# Altium PCB Slave.PcbDoc (part 7 of 11)
Units mm, origin at the board's own origin, x right, y up, seen from the top; angles counter-clockwise.
Board outline 380 x 63 mm, 4 copper layers (Top Copper, Signal Layer 1, Signal Layer 2, Bottom Copper), stack 1.586 mm thick; 256 components, 191 nets, 731 pads, 24161 vias.
Unrouted connection lines stored in the file: 14.
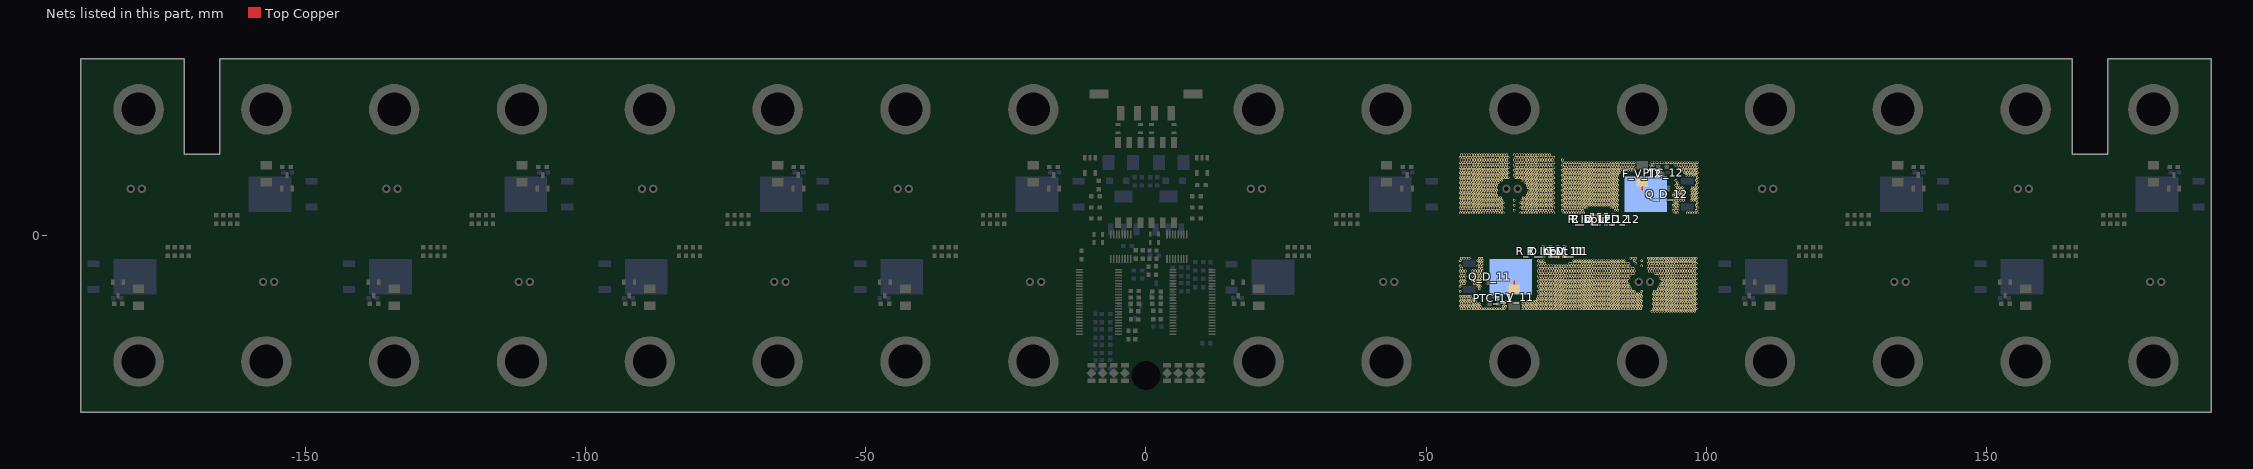
[diagram p9: the nets of this part, all layers, seen from the top]

## Via types
v1: diameter 0.45, hole 0.297, Top Copper to Bottom Copper, tented both sides, 23326 vias
v2: diameter 1, hole 0.7, Top Copper to Bottom Copper, 576 vias
v3: diameter 0.45, hole 0.2, Top Copper to Bottom Copper, 259 vias

## Nets (pads, with @x,y where several pads share a name; then routed paths per layer and width w, separated by ;. In a path a pad name is that pad's centre, name@x,y a point inside that pad or via, vN(x,y) a via of type N, cw(c..) or ccw(c..) an arc to the next point about the centre after c; other vN are vias at no path point) (continued)
F_11: C_V_11.2 F_V_11.2 PTC_11.2 Q_D_11.2 R_D_LED_11.2 R_Input_11.1 | length 3.9
  Top Copper w0.254: R_D_LED_11.2@72.15,-3.6 R_Input_11.1@73.4,-3.6 C_V_11.2@74.65,-3.6
  Top Copper w0.305: F_V_11.2@65.675,-9.48 65.675,-8.1
  other v1: 90.249,-13.55 90.699,-13.55 91.149,-13.55 91.599,-13.55 92.049,-13.55 92.499,-13.55 92.949,-13.55 93.399,-13.55 93.849,-13.55 94.299,-13.55 94.749,-13.55 95.199,-13.55 95.649,-13.55 96.099,-13.55 96.549,-13.55 96.999,-13.55 97.449,-13.55 97.899,-13.55 56.274,-13.1 56.724,-13.1 57.174,-13.1 57.624,-13.1 58.074,-13.1 58.524,-13.1 58.974,-13.1 59.424,-13.1 59.874,-13.1 60.324,-13.1 60.774,-13.1 61.224,-13.1 61.674,-13.1 62.124,-13.1 62.574,-13.1 63.024,-13.1 63.474,-13.1 63.924,-13.1 67.074,-13.1 67.524,-13.1 67.974,-13.1 68.424,-13.1 68.874,-13.1 69.324,-13.1 69.774,-13.1 70.224,-13.1 70.674,-13.1 71.124,-13.1 71.574,-13.1 72.024,-13.1 72.474,-13.1 72.924,-13.1 73.374,-13.1 73.824,-13.1 74.274,-13.1 74.724,-13.1 75.174,-13.1 75.624,-13.1 76.074,-13.1 76.524,-13.1 76.974,-13.1 77.424,-13.1 77.874,-13.1 78.324,-13.1 78.774,-13.1 79.224,-13.1 79.674,-13.1 80.124,-13.1 80.574,-13.1 81.024,-13.1 81.474,-13.1 81.924,-13.1 82.374,-13.1 82.824,-13.1 83.274,-13.1 83.724,-13.1 84.174,-13.1 84.624,-13.1 85.074,-13.1 85.524,-13.1 85.974,-13.1 86.424,-13.1 86.874,-13.1 87.324,-13.1 87.774,-13.1 88.224,-13.1 90.474,-13.1 90.924,-13.1 91.374,-13.1 91.824,-13.1 92.274,-13.1 92.724,-13.1 93.174,-13.1 93.624,-13.1 94.074,-13.1 94.524,-13.1 94.974,-13.1 95.424,-13.1 95.874,-13.1 96.324,-13.1 96.774,-13.1 97.224,-13.1 97.674,-13.1 98.124,-13.1 56.049,-12.65 56.499,-12.65 56.949,-12.65 57.399,-12.65 57.849,-12.65 58.299,-12.65 58.749,-12.65 59.199,-12.65 59.649,-12.65 63.699,-12.65 64.149,-12.65 67.299,-12.65 67.749,-12.65 68.199,-12.65 68.649,-12.65 69.099,-12.65 69.549,-12.65 69.999,-12.65 70.449,-12.65 70.899,-12.65 71.349,-12.65 71.799,-12.65 72.249,-12.65 72.699,-12.65 73.149,-12.65 73.599,-12.65 74.049,-12.65 74.499,-12.65 74.949,-12.65 75.399,-12.65 75.849,-12.65 76.299,-12.65 76.749,-12.65 77.199,-12.65 77.649,-12.65 78.099,-12.65 78.549,-12.65 78.999,-12.65 79.449,-12.65 79.899,-12.65 80.349,-12.65 80.799,-12.65 81.249,-12.65 81.699,-12.65 82.149,-12.65 82.599,-12.65 83.049,-12.65 83.499,-12.65 83.949,-12.65 84.399,-12.65 84.849,-12.65 85.299,-12.65 85.749,-12.65 86.199,-12.65 86.649,-12.65 87.099,-12.65 87.549,-12.65 87.999,-12.65 88.449,-12.65 90.699,-12.65 91.149,-12.65 91.599,-12.65 92.049,-12.65 92.499,-12.65 92.949,-12.65 93.399,-12.65 93.849,-12.65 94.299,-12.65 94.749,-12.65 95.199,-12.65 95.649,-12.65 96.099,-12.65 96.549,-12.65 96.999,-12.65 97.449,-12.65 97.899,-12.65 56.274,-12.2 56.724,-12.2 57.174,-12.2 57.624,-12.2 58.074,-12.2 58.524,-12.2 58.974,-12.2 59.424,-12.2 63.924,-12.2 67.074,-12.2 67.524,-12.2 67.974,-12.2 68.424,-12.2 68.874,-12.2 69.324,-12.2 69.774,-12.2 70.224,-12.2 70.674,-12.2 71.124,-12.2 71.574,-12.2 72.024,-12.2 72.474,-12.2 72.924,-12.2 73.374,-12.2 73.824,-12.2 74.274,-12.2 74.724,-12.2 75.174,-12.2 75.624,-12.2 76.074,-12.2 76.524,-12.2 76.974,-12.2 77.424,-12.2 77.874,-12.2 78.324,-12.2 78.774,-12.2 79.224,-12.2 79.674,-12.2 80.124,-12.2 80.574,-12.2 81.024,-12.2 81.474,-12.2 81.924,-12.2 82.374,-12.2 82.824,-12.2 83.274,-12.2 83.724,-12.2 84.174,-12.2 84.624,-12.2 85.074,-12.2 85.524,-12.2 85.974,-12.2 86.424,-12.2 86.874,-12.2 87.324,-12.2 87.774,-12.2 88.224,-12.2 90.474,-12.2 90.924,-12.2 91.374,-12.2 91.824,-12.2 92.274,-12.2 92.724,-12.2 93.174,-12.2 93.624,-12.2 94.074,-12.2 94.524,-12.2 94.974,-12.2 95.424,-12.2 95.874,-12.2 96.324,-12.2 96.774,-12.2 97.224,-12.2 97.674,-12.2 98.124,-12.2 56.049,-11.75 56.499,-11.75 56.949,-11.75 57.399,-11.75 57.849,-11.75 58.299,-11.75 58.749,-11.75 64.149,-11.75 67.299,-11.75 67.749,-11.75 68.199,-11.75 68.649,-11.75 69.099,-11.75 69.549,-11.75 69.999,-11.75 70.449,-11.75 70.899,-11.75 71.349,-11.75 71.799,-11.75 72.249,-11.75 72.699,-11.75 73.149,-11.75 73.599,-11.75 74.049,-11.75 74.499,-11.75 74.949,-11.75 75.399,-11.75 75.849,-11.75 76.299,-11.75 76.749,-11.75 77.199,-11.75 77.649,-11.75 78.099,-11.75 78.549,-11.75 78.999,-11.75 79.449,-11.75 79.899,-11.75 80.349,-11.75 80.799,-11.75 81.249,-11.75 81.699,-11.75 82.149,-11.75 82.599,-11.75 83.049,-11.75 83.499,-11.75 83.949,-11.75 84.399,-11.75 84.849,-11.75 85.299,-11.75 85.749,-11.75 86.199,-11.75 86.649,-11.75 87.099,-11.75 87.549,-11.75 87.999,-11.75 88.449,-11.75 90.699,-11.75 91.149,-11.75 91.599,-11.75 92.049,-11.75 92.499,-11.75 92.949,-11.75 93.399,-11.75 93.849,-11.75 94.299,-11.75 94.749,-11.75 95.199,-11.75 95.649,-11.75 96.099,-11.75 96.549,-11.75 96.999,-11.75 97.449,-11.75 97.899,-11.75 56.274,-11.3 56.724,-11.3 57.174,-11.3 57.624,-11.3 58.074,-11.3 58.524,-11.3 69.774,-11.3 70.224,-11.3 70.674,-11.3 71.124,-11.3 71.574,-11.3 72.024,-11.3 72.474,-11.3 72.924,-11.3 73.374,-11.3 73.824,-11.3 74.274,-11.3 74.724,-11.3 75.174,-11.3 75.624,-11.3 76.074,-11.3 76.524,-11.3 76.974,-11.3 77.424,-11.3 77.874,-11.3 78.324,-11.3 78.774,-11.3 79.224,-11.3 79.674,-11.3 80.124,-11.3 80.574,-11.3 81.024,-11.3 81.474,-11.3 81.924,-11.3 82.374,-11.3 82.824,-11.3 83.274,-11.3 83.724,-11.3 84.174,-11.3 84.624,-11.3 85.074,-11.3 85.524,-11.3 85.974,-11.3 86.424,-11.3 86.874,-11.3 87.324,-11.3 87.774,-11.3 88.224,-11.3 90.474,-11.3 90.924,-11.3 91.374,-11.3 91.824,-11.3 92.274,-11.3 92.724,-11.3 93.174,-11.3 93.624,-11.3 94.074,-11.3 94.524,-11.3 94.974,-11.3 95.424,-11.3 95.874,-11.3 96.324,-11.3 96.774,-11.3 97.224,-11.3 97.674,-11.3 98.124,-11.3 56.049,-10.85 56.499,-10.85 56.949,-10.85 57.399,-10.85 57.849,-10.85 69.999,-10.85 70.449,-10.85 70.899,-10.85 71.349,-10.85 71.799,-10.85 72.249,-10.85 72.699,-10.85 73.149,-10.85 73.599,-10.85 74.049,-10.85 74.499,-10.85 74.949,-10.85 75.399,-10.85 75.849,-10.85 76.299,-10.85 76.749,-10.85 77.199,-10.85 77.649,-10.85 78.099,-10.85 78.549,-10.85 78.999,-10.85 79.449,-10.85 79.899,-10.85 80.349,-10.85 80.799,-10.85 81.249,-10.85 81.699,-10.85 82.149,-10.85 82.599,-10.85 83.049,-10.85 83.499,-10.85 83.949,-10.85 84.399,-10.85 84.849,-10.85 85.299,-10.85 85.749,-10.85 86.199,-10.85 86.649,-10.85 87.099,-10.85 87.549,-10.85 87.999,-10.85 88.449,-10.85 90.699,-10.85 91.149,-10.85 91.599,-10.85 92.049,-10.85 92.499,-10.85 92.949,-10.85 93.399,-10.85 93.849,-10.85 94.299,-10.85 94.749,-10.85 95.199,-10.85 95.649,-10.85 96.099,-10.85 96.549,-10.85 96.999,-10.85 97.449,-10.85 97.899,-10.85 70.224,-10.4 70.674,-10.4 71.124,-10.4 71.574,-10.4 72.024,-10.4 72.474,-10.4 72.924,-10.4 73.374,-10.4 73.824,-10.4 74.274,-10.4 74.724,-10.4 75.174,-10.4 75.624,-10.4 76.074,-10.4 76.524,-10.4 76.974,-10.4 77.424,-10.4 77.874,-10.4 78.324,-10.4 78.774,-10.4 79.224,-10.4 79.674,-10.4 80.124,-10.4 80.574,-10.4 81.024,-10.4 81.474,-10.4 81.924,-10.4 82.374,-10.4 82.824,-10.4 83.274,-10.4 83.724,-10.4 84.174,-10.4 84.624,-10.4 85.074,-10.4 85.524,-10.4 85.974,-10.4 86.424,-10.4 86.874,-10.4 87.324,-10.4 87.774,-10.4 88.224,-10.4 90.474,-10.4 90.924,-10.4 91.374,-10.4 91.824,-10.4 92.274,-10.4 92.724,-10.4 93.174,-10.4 93.624,-10.4 94.074,-10.4 94.524,-10.4 94.974,-10.4 95.424,-10.4 95.874,-10.4 96.324,-10.4 96.774,-10.4 97.224,-10.4 97.674,-10.4 98.124,-10.4 56.049,-9.95 69.999,-9.95 70.449,-9.95 70.899,-9.95 71.349,-9.95 71.799,-9.95 72.249,-9.95 72.699,-9.95 73.149,-9.95 73.599,-9.95 74.049,-9.95 74.499,-9.95 74.949,-9.95 75.399,-9.95 75.849,-9.95 76.299,-9.95 76.749,-9.95 77.199,-9.95 77.649,-9.95 78.099,-9.95 78.549,-9.95 78.999,-9.95 79.449,-9.95 79.899,-9.95 80.349,-9.95 80.799,-9.95 81.249,-9.95 81.699,-9.95 82.149,-9.95 82.599,-9.95 83.049,-9.95 83.499,-9.95 83.949,-9.95 84.399,-9.95 84.849,-9.95 85.299,-9.95 85.749,-9.95 86.199,-9.95 86.649,-9.95 87.099,-9.95 88.449,-9.95 90.699,-9.95 91.149,-9.95 91.599,-9.95 92.049,-9.95 92.499,-9.95 92.949,-9.95 93.399,-9.95 93.849,-9.95 94.299,-9.95 94.749,-9.95 95.199,-9.95 95.649,-9.95 96.099,-9.95 96.549,-9.95 96.999,-9.95 97.449,-9.95 97.899,-9.95 59.424,-9.5 70.224,-9.5 70.674,-9.5 71.124,-9.5 71.574,-9.5 72.024,-9.5 72.474,-9.5 72.924,-9.5 73.374,-9.5 73.824,-9.5 74.274,-9.5 74.724,-9.5 75.174,-9.5 75.624,-9.5 76.074,-9.5 76.524,-9.5 76.974,-9.5 77.424,-9.5 77.874,-9.5 78.324,-9.5 78.774,-9.5 79.224,-9.5 79.674,-9.5 80.124,-9.5 80.574,-9.5 81.024,-9.5 81.474,-9.5 81.924,-9.5 82.374,-9.5 82.824,-9.5 83.274,-9.5 83.724,-9.5 84.174,-9.5 84.624,-9.5 85.074,-9.5 85.524,-9.5 85.974,-9.5 86.424,-9.5 91.374,-9.5 91.824,-9.5 92.274,-9.5 92.724,-9.5 93.174,-9.5 93.624,-9.5 94.074,-9.5 94.524,-9.5 94.974,-9.5 95.424,-9.5 95.874,-9.5 96.324,-9.5 96.774,-9.5 97.224,-9.5 97.674,-9.5 98.124,-9.5 56.049,-9.05 59.199,-9.05 59.649,-9.05 69.999,-9.05 70.449,-9.05 70.899,-9.05 71.349,-9.05 71.799,-9.05 72.249,-9.05 72.699,-9.05 73.149,-9.05 73.599,-9.05 74.049,-9.05 74.499,-9.05 74.949,-9.05 75.399,-9.05 75.849,-9.05 76.299,-9.05 76.749,-9.05 77.199,-9.05 77.649,-9.05 78.099,-9.05 78.549,-9.05 78.999,-9.05 79.449,-9.05 79.899,-9.05 80.349,-9.05 80.799,-9.05 81.249,-9.05 81.699,-9.05 82.149,-9.05 82.599,-9.05 83.049,-9.05 83.499,-9.05 83.949,-9.05 84.399,-9.05 84.849,-9.05 85.299,-9.05 85.749,-9.05 86.199,-9.05 91.599,-9.05 92.049,-9.05 92.499,-9.05 92.949,-9.05 93.399,-9.05 93.849,-9.05 94.299,-9.05 94.749,-9.05 95.199,-9.05 95.649,-9.05 96.099,-9.05 96.549,-9.05 96.999,-9.05 97.449,-9.05 97.899,-9.05 56.274,-8.6 56.724,-8.6 58.524,-8.6 58.974,-8.6 59.424,-8.6 70.224,-8.6 70.674,-8.6 71.124,-8.6 71.574,-8.6 72.024,-8.6 72.474,-8.6 72.924,-8.6 73.374,-8.6 73.824,-8.6 74.274,-8.6 74.724,-8.6 75.174,-8.6 75.624,-8.6 76.074,-8.6 76.524,-8.6 76.974,-8.6 77.424,-8.6 77.874,-8.6 78.324,-8.6 78.774,-8.6 79.224,-8.6 79.674,-8.6 80.124,-8.6 80.574,-8.6 81.024,-8.6 81.474,-8.6 81.924,-8.6 82.374,-8.6 82.824,-8.6 83.274,-8.6 83.724,-8.6 84.174,-8.6 84.624,-8.6 85.074,-8.6 85.524,-8.6 85.974,-8.6 91.824,-8.6 92.274,-8.6 92.724,-8.6 93.174,-8.6 93.624,-8.6 94.074,-8.6 94.524,-8.6 94.974,-8.6 95.424,-8.6 95.874,-8.6 96.324,-8.6 96.774,-8.6 97.224,-8.6 97.674,-8.6 98.124,-8.6 56.049,-8.15 56.499,-8.15 56.949,-8.15 58.299,-8.15 58.749,-8.15 59.199,-8.15 59.649,-8.15 69.999,-8.15 70.449,-8.15 70.899,-8.15 71.349,-8.15 71.799,-8.15 72.249,-8.15 72.699,-8.15 73.149,-8.15 73.599,-8.15 74.049,-8.15 74.499,-8.15 74.949,-8.15 75.399,-8.15 75.849,-8.15 76.299,-8.15 76.749,-8.15 77.199,-8.15 77.649,-8.15 78.099,-8.15 78.549,-8.15 78.999,-8.15 79.449,-8.15 79.899,-8.15 80.349,-8.15 80.799,-8.15 81.249,-8.15 81.699,-8.15 82.149,-8.15 82.599,-8.15 83.049,-8.15 83.499,-8.15 83.949,-8.15 84.399,-8.15 84.849,-8.15 85.299,-8.15 85.749,-8.15 92.049,-8.15 92.499,-8.15 92.949,-8.15 93.399,-8.15 93.849,-8.15 94.299,-8.15 94.749,-8.15 95.199,-8.15 95.649,-8.15 96.099,-8.15 96.549,-8.15 96.999,-8.15 97.449,-8.15 97.899,-8.15 56.274,-7.7 56.724,-7.7 58.524,-7.7 58.974,-7.7 59.424,-7.7 59.874,-7.7 70.224,-7.7 70.674,-7.7 71.124,-7.7 71.574,-7.7 72.024,-7.7 72.474,-7.7 72.924,-7.7 73.374,-7.7 73.824,-7.7 74.274,-7.7 74.724,-7.7 75.174,-7.7 75.624,-7.7 76.074,-7.7 76.524,-7.7 76.974,-7.7 77.424,-7.7 77.874,-7.7 78.324,-7.7 78.774,-7.7 79.224,-7.7 79.674,-7.7 80.124,-7.7 80.574,-7.7 81.024,-7.7 81.474,-7.7 81.924,-7.7 82.374,-7.7 82.824,-7.7 83.274,-7.7 83.724,-7.7 84.174,-7.7 84.624,-7.7 85.074,-7.7 85.524,-7.7 85.974,-7.7 91.824,-7.7 92.274,-7.7 92.724,-7.7 93.174,-7.7 93.624,-7.7 94.074,-7.7 94.524,-7.7 94.974,-7.7 95.424,-7.7 95.874,-7.7 96.324,-7.7 96.774,-7.7 97.224,-7.7 97.674,-7.7 98.124,-7.7 56.049,-7.25 56.499,-7.25 56.949,-7.25 58.299,-7.25 58.749,-7.25 59.199,-7.25 59.649,-7.25 60.099,-7.25 69.999,-7.25 70.449,-7.25 70.899,-7.25 71.349,-7.25 71.799,-7.25 72.249,-7.25 72.699,-7.25 73.149,-7.25 73.599,-7.25 74.049,-7.25 74.499,-7.25 74.949,-7.25 75.399,-7.25 75.849,-7.25 76.299,-7.25 76.749,-7.25 77.199,-7.25 77.649,-7.25 78.099,-7.25 78.549,-7.25 78.999,-7.25 79.449,-7.25 79.899,-7.25 80.349,-7.25 80.799,-7.25 81.249,-7.25 81.699,-7.25 82.149,-7.25 82.599,-7.25 83.049,-7.25 83.499,-7.25 83.949,-7.25 84.399,-7.25 84.849,-7.25 85.299,-7.25 85.749,-7.25 86.199,-7.25 91.599,-7.25 92.049,-7.25 92.499,-7.25 92.949,-7.25 93.399,-7.25 93.849,-7.25 94.299,-7.25 94.749,-7.25 95.199,-7.25 95.649,-7.25 96.099,-7.25 96.549,-7.25 96.999,-7.25 97.449,-7.25 97.899,-7.25 56.274,-6.8 56.724,-6.8 58.524,-6.8 58.974,-6.8 59.424,-6.8 59.874,-6.8 70.224,-6.8 70.674,-6.8 71.124,-6.8 71.574,-6.8 72.024,-6.8 72.474,-6.8 72.924,-6.8 73.374,-6.8 73.824,-6.8 74.274,-6.8 74.724,-6.8 75.174,-6.8 75.624,-6.8 76.074,-6.8 76.524,-6.8 76.974,-6.8 77.424,-6.8 77.874,-6.8 78.324,-6.8 78.774,-6.8 79.224,-6.8 79.674,-6.8 80.124,-6.8 80.574,-6.8 81.024,-6.8 81.474,-6.8 81.924,-6.8 82.374,-6.8 82.824,-6.8 83.274,-6.8 83.724,-6.8 84.174,-6.8 84.624,-6.8 85.074,-6.8 85.524,-6.8 85.974,-6.8 86.424,-6.8 86.874,-6.8 90.924,-6.8 91.374,-6.8 91.824,-6.8 92.274,-6.8 92.724,-6.8 93.174,-6.8 93.624,-6.8 94.074,-6.8 94.524,-6.8 94.974,-6.8 95.424,-6.8 95.874,-6.8 96.324,-6.8 96.774,-6.8 97.224,-6.8 97.674,-6.8 98.124,-6.8 56.049,-6.35 56.499,-6.35 56.949,-6.35 58.299,-6.35 58.749,-6.35 59.199,-6.35 59.649,-6.35 60.099,-6.35 69.999,-6.35 70.449,-6.35 70.899,-6.35 71.349,-6.35 71.799,-6.35 72.249,-6.35 72.699,-6.35 73.149,-6.35 73.599,-6.35 74.049,-6.35 74.499,-6.35 74.949,-6.35 75.399,-6.35 75.849,-6.35 76.299,-6.35 76.749,-6.35 77.199,-6.35 77.649,-6.35 78.099,-6.35 78.549,-6.35 78.999,-6.35 79.449,-6.35 79.899,-6.35 80.349,-6.35 80.799,-6.35 81.249,-6.35 81.699,-6.35 82.149,-6.35 82.599,-6.35 83.049,-6.35 83.499,-6.35 83.949,-6.35 84.399,-6.35 84.849,-6.35 85.299,-6.35 85.749,-6.35 86.199,-6.35 86.649,-6.35 87.099,-6.35 89.799,-6.35 90.249,-6.35 90.699,-6.35 91.149,-6.35 91.599,-6.35 92.049,-6.35 92.499,-6.35 92.949,-6.35 93.399,-6.35 93.849,-6.35 94.299,-6.35 94.749,-6.35 95.199,-6.35 95.649,-6.35 96.099,-6.35 96.549,-6.35 96.999,-6.35 97.449,-6.35 97.899,-6.35 56.274,-5.9 59.424,-5.9 59.874,-5.9 70.224,-5.9 70.674,-5.9 71.124,-5.9 71.574,-5.9 72.024,-5.9 72.474,-5.9 72.924,-5.9 73.374,-5.9 73.824,-5.9 74.274,-5.9 74.724,-5.9 75.174,-5.9 75.624,-5.9 76.074,-5.9 76.524,-5.9 76.974,-5.9 77.424,-5.9 77.874,-5.9 78.324,-5.9 78.774,-5.9 79.224,-5.9 79.674,-5.9 80.124,-5.9 80.574,-5.9 81.024,-5.9 81.474,-5.9 81.924,-5.9 82.374,-5.9 82.824,-5.9 83.274,-5.9 83.724,-5.9 84.174,-5.9 84.624,-5.9 85.074,-5.9 85.524,-5.9 85.974,-5.9 86.424,-5.9 86.874,-5.9 89.574,-5.9 90.024,-5.9 90.474,-5.9 90.924,-5.9 91.374,-5.9 91.824,-5.9 92.274,-5.9 92.724,-5.9 93.174,-5.9 93.624,-5.9 94.074,-5.9 94.524,-5.9 94.974,-5.9 95.424,-5.9 95.874,-5.9 96.324,-5.9 96.774,-5.9 97.224,-5.9 97.674,-5.9 98.124,-5.9 56.049,-5.45 59.199,-5.45 59.649,-5.45 60.099,-5.45 69.999,-5.45 70.449,-5.45 70.899,-5.45 71.349,-5.45 71.799,-5.45 72.249,-5.45 72.699,-5.45 73.149,-5.45 73.599,-5.45 74.049,-5.45 74.499,-5.45 74.949,-5.45 75.399,-5.45 75.849,-5.45 76.299,-5.45 76.749,-5.45 77.199,-5.45 77.649,-5.45 78.099,-5.45 78.549,-5.45 78.999,-5.45 79.449,-5.45 79.899,-5.45 80.349,-5.45 80.799,-5.45 81.249,-5.45 81.699,-5.45 82.149,-5.45 82.599,-5.45 83.049,-5.45 83.499,-5.45 83.949,-5.45 84.399,-5.45 84.849,-5.45 85.299,-5.45 85.749,-5.45 86.199,-5.45 88.449,-5.45 89.799,-5.45 90.249,-5.45 90.699,-5.45 91.149,-5.45 91.599,-5.45 92.049,-5.45 92.499,-5.45 92.949,-5.45 93.399,-5.45 93.849,-5.45 94.299,-5.45 94.749,-5.45 95.199,-5.45 95.649,-5.45 96.099,-5.45 96.549,-5.45 96.999,-5.45 97.449,-5.45 97.899,-5.45 59.424,-5 59.874,-5 70.224,-5 70.674,-5 71.124,-5 75.624,-5 76.074,-5 76.524,-5 76.974,-5 77.424,-5 77.874,-5 78.324,-5 78.774,-5 79.224,-5 79.674,-5 80.124,-5 80.574,-5 81.024,-5 81.474,-5 81.924,-5 82.374,-5 82.824,-5 83.274,-5 83.724,-5 84.174,-5 84.624,-5 85.074,-5 85.524,-5 85.974,-5 87.324,-5 89.574,-5 90.024,-5 90.474,-5 90.924,-5 91.374,-5 91.824,-5 92.274,-5 92.724,-5 93.174,-5 93.624,-5 94.074,-5 94.524,-5 94.974,-5 95.424,-5 95.874,-5 96.324,-5 96.774,-5 97.224,-5 97.674,-5 98.124,-5 56.049,-4.55 59.199,-4.55 59.649,-4.55 60.099,-4.55 69.999,-4.55 70.449,-4.55 70.899,-4.55 76.299,-4.55 76.749,-4.55 77.199,-4.55 77.649,-4.55 78.099,-4.55 78.549,-4.55 78.999,-4.55 79.449,-4.55 79.899,-4.55 80.349,-4.55 80.799,-4.55 81.249,-4.55 81.699,-4.55 82.149,-4.55 82.599,-4.55 83.049,-4.55 83.499,-4.55 83.949,-4.55 84.399,-4.55 84.849,-4.55 85.299,-4.55 87.099,-4.55 88.449,-4.55 89.799,-4.55 90.249,-4.55 90.699,-4.55 91.149,-4.55 91.599,-4.55 92.049,-4.55 92.499,-4.55 92.949,-4.55 93.399,-4.55 93.849,-4.55 94.299,-4.55 94.749,-4.55 95.199,-4.55 95.649,-4.55 96.099,-4.55 96.549,-4.55 96.999,-4.55 97.449,-4.55 97.899,-4.55 56.274,-4.1 56.724,-4.1 57.174,-4.1 57.624,-4.1 59.424,-4.1 59.874,-4.1 86.424,-4.1 86.874,-4.1 87.324,-4.1 89.574,-4.1 90.024,-4.1 90.474,-4.1 90.924,-4.1 91.374,-4.1 91.824,-4.1 92.274,-4.1 92.724,-4.1 93.174,-4.1 93.624,-4.1 94.074,-4.1 94.524,-4.1 94.974,-4.1 95.424,-4.1 95.874,-4.1 96.324,-4.1 96.774,-4.1 97.224,-4.1 97.674,-4.1 98.124,-4.1
F_12: C_V_12.2 F_V_12.2 PTC_12.2 Q_D_12.2 R_D_LED_12.2 R_Input_12.1 | length 3.9
  Top Copper w0.254: C_V_12.2@79.55,3.6 R_Input_12.1@80.8,3.6 R_D_LED_12.2@82.05,3.6
  Top Copper w0.305: 88.525,8.1 F_V_12.2@88.525,9.48
  other v1: 56.049,4 56.499,4 56.949,4 57.399,4 57.849,4 58.299,4 58.749,4 59.199,4 59.649,4 60.099,4 60.549,4 60.999,4 61.449,4 61.899,4 62.349,4 62.799,4 63.249,4 63.699,4 66.849,4 67.299,4 67.749,4 68.199,4 68.649,4 69.099,4 69.549,4 69.999,4 70.449,4 70.899,4 71.349,4 71.799,4 72.249,4 72.699,4 74.499,4 74.949,4 75.399,4 75.849,4 76.299,4 76.749,4 77.199,4 77.649,4 78.099,4 94.299,4 94.749,4 96.549,4 96.999,4 97.449,4 97.899,4 98.349,4 56.274,4.45 56.724,4.45 57.174,4.45 57.624,4.45 58.074,4.45 58.524,4.45 58.974,4.45 59.424,4.45 59.874,4.45 60.324,4.45 60.774,4.45 61.224,4.45 61.674,4.45 62.124,4.45 62.574,4.45 63.024,4.45 63.474,4.45 65.724,4.45 67.074,4.45 67.524,4.45 67.974,4.45 68.424,4.45 68.874,4.45 69.324,4.45 69.774,4.45 70.224,4.45 70.674,4.45 71.124,4.45 71.574,4.45 72.024,4.45 72.474,4.45 74.274,4.45 74.724,4.45 75.174,4.45 75.624,4.45 76.074,4.45 76.524,4.45 76.974,4.45 77.424,4.45 77.874,4.45 83.724,4.45 84.174,4.45 94.074,4.45 94.524,4.45 94.974,4.45 98.124,4.45 56.049,4.9 56.499,4.9 56.949,4.9 57.399,4.9 57.849,4.9 58.299,4.9 58.749,4.9 59.199,4.9 59.649,4.9 60.099,4.9 60.549,4.9 60.999,4.9 61.449,4.9 61.899,4.9 62.349,4.9 62.799,4.9 63.249,4.9 63.699,4.9 66.849,4.9 67.299,4.9 67.749,4.9 68.199,4.9 68.649,4.9 69.099,4.9 69.549,4.9 69.999,4.9 70.449,4.9 70.899,4.9 71.349,4.9 71.799,4.9 72.249,4.9 72.699,4.9 74.499,4.9 74.949,4.9 75.399,4.9 75.849,4.9 76.299,4.9 76.749,4.9 77.199,4.9 77.649,4.9 78.099,4.9 78.549,4.9 83.049,4.9 83.499,4.9 83.949,4.9 94.299,4.9 94.749,4.9 98.349,4.9 56.274,5.35 56.724,5.35 57.174,5.35 57.624,5.35 58.074,5.35 58.524,5.35 58.974,5.35 59.424,5.35 59.874,5.35 60.324,5.35 60.774,5.35 61.224,5.35 61.674,5.35 62.124,5.35 62.574,5.35 63.024,5.35 63.474,5.35 65.724,5.35 67.074,5.35 67.524,5.35 67.974,5.35 68.424,5.35 68.874,5.35 69.324,5.35 69.774,5.35 70.224,5.35 70.674,5.35 71.124,5.35 71.574,5.35 72.024,5.35 72.474,5.35 74.274,5.35 74.724,5.35 75.174,5.35 75.624,5.35 76.074,5.35 76.524,5.35 76.974,5.35 77.424,5.35 77.874,5.35 78.324,5.35 78.774,5.35 79.224,5.35 79.674,5.35 80.124,5.35 80.574,5.35 81.024,5.35 81.474,5.35 81.924,5.35 82.374,5.35 82.824,5.35 83.274,5.35 83.724,5.35 84.174,5.35 94.074,5.35 94.524,5.35 94.974,5.35 98.124,5.35 56.049,5.8 56.499,5.8 56.949,5.8 57.399,5.8 57.849,5.8 58.299,5.8 58.749,5.8 59.199,5.8 59.649,5.8 60.099,5.8 60.549,5.8 60.999,5.8 61.449,5.8 61.899,5.8 62.349,5.8 62.799,5.8 63.249,5.8 63.699,5.8 66.849,5.8 67.299,5.8 67.749,5.8 68.199,5.8 68.649,5.8 69.099,5.8 69.549,5.8 69.999,5.8 70.449,5.8 70.899,5.8 71.349,5.8 71.799,5.8 72.249,5.8 72.699,5.8 74.499,5.8 74.949,5.8 75.399,5.8 75.849,5.8 76.299,5.8 76.749,5.8 77.199,5.8 77.649,5.8 78.099,5.8 78.549,5.8 78.999,5.8 79.449,5.8 79.899,5.8 80.349,5.8 80.799,5.8 81.249,5.8 81.699,5.8 82.149,5.8 82.599,5.8 83.049,5.8 83.499,5.8 83.949,5.8 94.299,5.8 94.749,5.8 98.349,5.8 56.274,6.25 56.724,6.25 57.174,6.25 57.624,6.25 58.074,6.25 58.524,6.25 58.974,6.25 59.424,6.25 59.874,6.25 60.324,6.25 60.774,6.25 61.224,6.25 61.674,6.25 62.124,6.25 62.574,6.25 63.024,6.25 63.474,6.25 65.724,6.25 67.074,6.25 67.524,6.25 67.974,6.25 68.424,6.25 68.874,6.25 69.324,6.25 69.774,6.25 70.224,6.25 70.674,6.25 71.124,6.25 71.574,6.25 72.024,6.25 72.474,6.25 74.274,6.25 74.724,6.25 75.174,6.25 75.624,6.25 76.074,6.25 76.524,6.25 76.974,6.25 77.424,6.25 77.874,6.25 78.324,6.25 78.774,6.25 79.224,6.25 79.674,6.25 80.124,6.25 80.574,6.25 81.024,6.25 81.474,6.25 81.924,6.25 82.374,6.25 82.824,6.25 83.274,6.25 83.724,6.25 84.174,6.25 94.074,6.25 94.524,6.25 94.974,6.25 95.424,6.25 95.874,6.25 97.224,6.25 97.674,6.25 98.124,6.25 56.049,6.7 56.499,6.7 56.949,6.7 57.399,6.7 57.849,6.7 58.299,6.7 58.749,6.7 59.199,6.7 59.649,6.7 60.099,6.7 60.549,6.7 60.999,6.7 61.449,6.7 61.899,6.7 62.349,6.7 62.799,6.7 63.249,6.7 67.299,6.7 67.749,6.7 68.199,6.7 68.649,6.7 69.099,6.7 69.549,6.7 69.999,6.7 70.449,6.7 70.899,6.7 71.349,6.7 71.799,6.7 72.249,6.7 72.699,6.7 74.499,6.7 74.949,6.7 75.399,6.7 75.849,6.7 76.299,6.7 76.749,6.7 77.199,6.7 77.649,6.7 78.099,6.7 78.549,6.7 78.999,6.7 79.449,6.7 79.899,6.7 80.349,6.7 80.799,6.7 81.249,6.7 81.699,6.7 82.149,6.7 82.599,6.7 83.049,6.7 83.499,6.7 83.949,6.7 94.299,6.7 94.749,6.7 95.199,6.7 95.649,6.7 97.449,6.7 97.899,6.7 98.349,6.7 56.274,7.15 56.724,7.15 57.174,7.15 57.624,7.15 58.074,7.15 58.524,7.15 58.974,7.15 59.424,7.15 59.874,7.15 60.324,7.15 60.774,7.15 61.224,7.15 61.674,7.15 62.124,7.15 62.574,7.15 67.974,7.15 68.424,7.15 68.874,7.15 69.324,7.15 69.774,7.15 70.224,7.15 70.674,7.15 71.124,7.15 71.574,7.15 72.024,7.15 72.474,7.15 74.274,7.15 74.724,7.15 75.174,7.15 75.624,7.15 76.074,7.15 76.524,7.15 76.974,7.15 77.424,7.15 77.874,7.15 78.324,7.15 78.774,7.15 79.224,7.15 79.674,7.15 80.124,7.15 80.574,7.15 81.024,7.15 81.474,7.15 81.924,7.15 82.374,7.15 82.824,7.15 83.274,7.15 83.724,7.15 84.174,7.15 94.074,7.15 94.524,7.15 94.974,7.15 95.424,7.15 95.874,7.15 97.224,7.15 97.674,7.15 98.124,7.15 56.049,7.6 56.499,7.6 56.949,7.6 57.399,7.6 57.849,7.6 58.299,7.6 58.749,7.6 59.199,7.6 59.649,7.6 60.099,7.6 60.549,7.6 60.999,7.6 61.449,7.6 61.899,7.6 62.349,7.6 68.199,7.6 68.649,7.6 69.099,7.6 69.549,7.6 69.999,7.6 70.449,7.6 70.899,7.6 71.349,7.6 71.799,7.6 72.249,7.6 72.699,7.6 74.499,7.6 74.949,7.6 75.399,7.6 75.849,7.6 76.299,7.6 76.749,7.6 77.199,7.6 77.649,7.6 78.099,7.6 78.549,7.6 78.999,7.6 79.449,7.6 79.899,7.6 80.349,7.6 80.799,7.6 81.249,7.6 81.699,7.6 82.149,7.6 82.599,7.6 83.049,7.6 83.499,7.6 83.949,7.6 94.299,7.6 94.749,7.6 95.199,7.6 95.649,7.6 97.449,7.6 97.899,7.6 98.349,7.6 56.274,8.05 56.724,8.05 57.174,8.05 57.624,8.05 58.074,8.05 58.524,8.05 58.974,8.05 59.424,8.05 59.874,8.05 60.324,8.05 60.774,8.05 61.224,8.05 61.674,8.05 62.124,8.05 62.574,8.05 68.424,8.05 68.874,8.05 69.324,8.05 69.774,8.05 70.224,8.05 70.674,8.05 71.124,8.05 71.574,8.05 72.024,8.05 72.474,8.05 74.274,8.05 74.724,8.05 75.174,8.05 75.624,8.05 76.074,8.05 76.524,8.05 76.974,8.05 77.424,8.05 77.874,8.05 78.324,8.05 78.774,8.05 79.224,8.05 79.674,8.05 80.124,8.05 80.574,8.05 81.024,8.05 81.474,8.05 81.924,8.05 82.374,8.05 82.824,8.05 83.274,8.05 83.724,8.05 84.174,8.05 94.524,8.05 94.974,8.05 95.424,8.05 95.874,8.05 97.224,8.05 97.674,8.05 98.124,8.05 56.049,8.5 56.499,8.5 56.949,8.5 57.399,8.5 57.849,8.5 58.299,8.5 58.749,8.5 59.199,8.5 59.649,8.5 60.099,8.5 60.549,8.5 60.999,8.5 61.449,8.5 61.899,8.5 62.349,8.5 68.199,8.5 68.649,8.5 69.099,8.5 69.549,8.5 69.999,8.5 70.449,8.5 70.899,8.5 71.349,8.5 71.799,8.5 72.249,8.5 72.699,8.5 74.499,8.5 74.949,8.5 75.399,8.5 75.849,8.5 76.299,8.5 76.749,8.5 77.199,8.5 77.649,8.5 78.099,8.5 78.549,8.5 78.999,8.5 79.449,8.5 79.899,8.5 80.349,8.5 80.799,8.5 81.249,8.5 81.699,8.5 82.149,8.5 82.599,8.5 83.049,8.5 83.499,8.5 83.949,8.5 94.749,8.5 95.199,8.5 95.649,8.5 97.449,8.5 97.899,8.5 98.349,8.5 56.274,8.95 56.724,8.95 57.174,8.95 57.624,8.95 58.074,8.95 58.524,8.95 58.974,8.95 59.424,8.95 59.874,8.95 60.324,8.95 60.774,8.95 61.224,8.95 61.674,8.95 62.124,8.95 62.574,8.95 67.974,8.95 68.424,8.95 68.874,8.95 69.324,8.95 69.774,8.95 70.224,8.95 70.674,8.95 71.124,8.95 71.574,8.95 72.024,8.95 72.474,8.95 74.274,8.95 74.724,8.95 75.174,8.95 75.624,8.95 76.074,8.95 76.524,8.95 76.974,8.95 77.424,8.95 77.874,8.95 78.324,8.95 78.774,8.95 79.224,8.95 79.674,8.95 80.124,8.95 80.574,8.95 81.024,8.95 81.474,8.95 81.924,8.95 82.374,8.95 82.824,8.95 83.274,8.95 83.724,8.95 84.174,8.95 94.524,8.95 94.974,8.95 98.124,8.95 56.049,9.4 56.499,9.4 56.949,9.4 57.399,9.4 57.849,9.4 58.299,9.4 58.749,9.4 59.199,9.4 59.649,9.4 60.099,9.4 60.549,9.4 60.999,9.4 61.449,9.4 61.899,9.4 62.349,9.4 62.799,9.4 67.749,9.4 68.199,9.4 68.649,9.4 69.099,9.4 69.549,9.4 69.999,9.4 70.449,9.4 70.899,9.4 71.349,9.4 71.799,9.4 72.249,9.4 72.699,9.4 74.499,9.4 74.949,9.4 75.399,9.4 75.849,9.4 76.299,9.4 76.749,9.4 77.199,9.4 77.649,9.4 78.099,9.4 78.549,9.4 78.999,9.4 79.449,9.4 79.899,9.4 80.349,9.4 80.799,9.4 81.249,9.4 81.699,9.4 82.149,9.4 82.599,9.4 83.049,9.4 83.499,9.4 83.949,9.4 94.749,9.4 98.349,9.4 56.274,9.85 56.724,9.85 57.174,9.85 57.624,9.85 58.074,9.85 58.524,9.85 58.974,9.85 59.424,9.85 59.874,9.85 60.324,9.85 60.774,9.85 61.224,9.85 61.674,9.85 62.124,9.85 62.574,9.85 63.024,9.85 63.474,9.85 67.074,9.85 67.524,9.85 67.974,9.85 68.424,9.85 68.874,9.85 69.324,9.85 69.774,9.85 70.224,9.85 70.674,9.85 71.124,9.85 71.574,9.85 72.024,9.85 72.474,9.85 74.274,9.85 74.724,9.85 75.174,9.85 75.624,9.85 76.074,9.85 76.524,9.85 76.974,9.85 77.424,9.85 77.874,9.85 78.324,9.85 78.774,9.85 79.224,9.85 79.674,9.85 80.124,9.85 80.574,9.85 81.024,9.85 81.474,9.85 81.924,9.85 82.374,9.85 82.824,9.85 83.274,9.85 83.724,9.85 84.174,9.85 94.524,9.85 98.124,9.85 56.049,10.3 56.499,10.3 56.949,10.3 57.399,10.3 57.849,10.3 58.299,10.3 58.749,10.3 59.199,10.3 59.649,10.3 60.099,10.3 60.549,10.3 60.999,10.3 61.449,10.3 61.899,10.3 62.349,10.3 62.799,10.3 63.249,10.3 63.699,10.3 64.149,10.3 64.599,10.3 65.949,10.3 66.399,10.3 66.849,10.3 67.299,10.3 67.749,10.3 68.199,10.3 68.649,10.3 69.099,10.3 69.549,10.3 69.999,10.3 70.449,10.3 70.899,10.3 71.349,10.3 71.799,10.3 72.249,10.3 72.699,10.3 74.499,10.3 74.949,10.3 75.399,10.3 75.849,10.3 76.299,10.3 76.749,10.3 77.199,10.3 77.649,10.3 78.099,10.3 78.549,10.3 78.999,10.3 79.449,10.3 79.899,10.3 80.349,10.3 80.799,10.3 81.249,10.3 81.699,10.3 82.149,10.3 82.599,10.3 83.049,10.3 83.499,10.3 83.949,10.3 98.349,10.3 56.274,10.75 56.724,10.75 57.174,10.75 57.624,10.75 58.074,10.75 58.524,10.75 58.974,10.75 59.424,10.75 59.874,10.75 60.324,10.75 60.774,10.75 61.224,10.75 61.674,10.75 62.124,10.75 62.574,10.75 63.024,10.75 63.474,10.75 63.924,10.75 64.374,10.75 65.724,10.75 66.174,10.75 66.624,10.75 67.074,10.75 67.524,10.75 67.974,10.75 68.424,10.75 68.874,10.75 69.324,10.75 69.774,10.75 70.224,10.75 70.674,10.75 71.124,10.75 71.574,10.75 72.024,10.75 72.474,10.75 74.274,10.75 74.724,10.75 75.174,10.75 75.624,10.75 76.074,10.75 76.524,10.75 76.974,10.75 77.424,10.75 77.874,10.75 78.324,10.75 78.774,10.75 79.224,10.75 79.674,10.75 80.124,10.75 80.574,10.75 81.024,10.75 81.474,10.75 81.924,10.75 82.374,10.75 82.824,10.75 83.274,10.75 83.724,10.75 84.174,10.75 96.324,10.75 96.774,10.75 97.224,10.75 97.674,10.75 98.124,10.75 56.049,11.2 56.499,11.2 56.949,11.2 57.399,11.2 57.849,11.2 58.299,11.2 58.749,11.2 59.199,11.2 59.649,11.2 60.099,11.2 60.549,11.2 60.999,11.2 61.449,11.2 61.899,11.2 62.349,11.2 62.799,11.2 63.249,11.2 63.699,11.2 64.149,11.2 64.599,11.2 65.949,11.2 66.399,11.2 66.849,11.2 67.299,11.2 67.749,11.2 68.199,11.2 68.649,11.2 69.099,11.2 69.549,11.2 69.999,11.2 70.449,11.2 70.899,11.2 71.349,11.2 71.799,11.2 72.249,11.2 72.699,11.2 74.499,11.2 74.949,11.2 75.399,11.2 75.849,11.2 76.299,11.2 76.749,11.2 77.199,11.2 77.649,11.2 78.099,11.2 78.549,11.2 78.999,11.2 79.449,11.2 79.899,11.2 80.349,11.2 80.799,11.2 81.249,11.2 81.699,11.2 82.149,11.2 82.599,11.2 83.049,11.2 83.499,11.2 83.949,11.2 84.399,11.2 96.099,11.2 96.549,11.2 96.999,11.2 97.449,11.2 97.899,11.2 98.349,11.2 56.274,11.65 56.724,11.65 57.174,11.65 57.624,11.65 58.074,11.65 58.524,11.65 58.974,11.65 59.424,11.65 59.874,11.65 60.324,11.65 60.774,11.65 61.224,11.65 61.674,11.65 62.124,11.65 62.574,11.65 63.024,11.65 63.474,11.65 63.924,11.65 64.374,11.65 65.724,11.65 66.174,11.65 66.624,11.65 67.074,11.65 67.524,11.65 67.974,11.65 68.424,11.65 68.874,11.65 69.324,11.65 69.774,11.65 70.224,11.65 70.674,11.65 71.124,11.65 71.574,11.65 72.024,11.65 72.474,11.65 74.274,11.65 74.724,11.65 75.174,11.65 75.624,11.65 76.074,11.65 76.524,11.65 76.974,11.65 77.424,11.65 77.874,11.65 78.324,11.65 78.774,11.65 79.224,11.65 79.674,11.65 80.124,11.65 80.574,11.65 81.024,11.65 81.474,11.65 81.924,11.65 82.374,11.65 82.824,11.65 83.274,11.65 83.724,11.65 84.174,11.65 84.624,11.65 85.074,11.65 85.524,11.65 85.974,11.65 86.424,11.65 86.874,11.65 90.024,11.65 95.424,11.65 95.874,11.65 96.324,11.65 96.774,11.65 97.224,11.65 97.674,11.65 98.124,11.65 56.049,12.1 56.499,12.1 56.949,12.1 57.399,12.1 57.849,12.1 58.299,12.1 58.749,12.1 59.199,12.1 59.649,12.1 60.099,12.1 60.549,12.1 60.999,12.1 61.449,12.1 61.899,12.1 62.349,12.1 62.799,12.1 63.249,12.1 63.699,12.1 64.149,12.1 64.599,12.1 65.949,12.1 66.399,12.1 66.849,12.1 67.299,12.1 67.749,12.1 68.199,12.1 68.649,12.1 69.099,12.1 69.549,12.1 69.999,12.1 70.449,12.1 70.899,12.1 71.349,12.1 71.799,12.1 72.249,12.1 72.699,12.1 74.499,12.1 74.949,12.1 75.399,12.1 75.849,12.1 76.299,12.1 76.749,12.1 77.199,12.1 77.649,12.1 78.099,12.1 78.549,12.1 78.999,12.1 79.449,12.1 79.899,12.1 80.349,12.1 80.799,12.1 81.249,12.1 81.699,12.1 82.149,12.1 82.599,12.1 83.049,12.1 83.499,12.1 83.949,12.1 84.399,12.1 84.849,12.1 85.299,12.1 85.749,12.1 86.199,12.1 86.649,12.1 87.099,12.1 90.249,12.1 95.199,12.1 95.649,12.1 96.099,12.1 96.549,12.1 96.999,12.1 97.449,12.1 97.899,12.1 98.349,12.1 56.274,12.55 56.724,12.55 57.174,12.55 57.624,12.55 58.074,12.55 58.524,12.55 58.974,12.55 59.424,12.55 59.874,12.55 60.324,12.55 60.774,12.55 61.224,12.55 61.674,12.55 62.124,12.55 62.574,12.55 63.024,12.55 63.474,12.55 63.924,12.55 64.374,12.55 65.724,12.55 66.174,12.55 66.624,12.55 67.074,12.55 67.524,12.55 67.974,12.55 68.424,12.55 68.874,12.55 69.324,12.55 69.774,12.55 70.224,12.55 70.674,12.55 71.124,12.55 71.574,12.55 72.024,12.55 72.474,12.55 74.274,12.55 74.724,12.55 75.174,12.55 75.624,12.55 76.074,12.55 76.524,12.55 76.974,12.55 77.424,12.55 77.874,12.55 78.324,12.55 78.774,12.55 79.224,12.55 79.674,12.55 80.124,12.55 80.574,12.55 81.024,12.55 81.474,12.55 81.924,12.55 82.374,12.55 82.824,12.55 83.274,12.55 83.724,12.55 84.174,12.55 84.624,12.55 85.074,12.55 85.524,12.55 85.974,12.55 86.424,12.55 86.874,12.55 90.024,12.55 90.474,12.55 94.524,12.55 94.974,12.55 95.424,12.55 95.874,12.55 96.324,12.55 96.774,12.55 97.224,12.55 97.674,12.55 98.124,12.55 56.049,13 56.499,13 56.949,13 57.399,13 57.849,13 58.299,13 58.749,13 59.199,13 59.649,13 60.099,13 60.549,13 60.999,13 61.449,13 61.899,13 62.349,13 62.799,13 63.249,13 63.699,13 64.149,13 64.599,13 65.949,13 66.399,13 66.849,13 67.299,13 67.749,13 68.199,13 68.649,13 69.099,13 69.549,13 69.999,13 70.449,13 70.899,13 71.349,13 71.799,13 72.249,13 72.699,13 74.499,13 74.949,13 75.399,13 75.849,13 76.299,13 76.749,13 77.199,13 77.649,13 78.099,13 78.549,13 78.999,13 79.449,13 79.899,13 80.349,13 80.799,13 81.249,13 81.699,13 82.149,13 82.599,13 83.049,13 83.499,13 83.949,13 84.399,13 84.849,13 85.299,13 85.749,13 86.199,13 86.649,13 87.099,13 90.249,13 90.699,13 91.149,13 91.599,13 92.049,13 92.499,13 92.949,13 93.399,13 93.849,13 94.299,13 94.749,13 95.199,13 95.649,13 96.099,13 96.549,13 96.999,13 97.449,13 97.899,13 98.349,13 56.274,13.45 56.724,13.45 57.174,13.45 57.624,13.45 58.074,13.45 58.524,13.45 58.974,13.45 59.424,13.45 59.874,13.45 60.324,13.45 60.774,13.45 61.224,13.45 61.674,13.45 62.124,13.45 62.574,13.45 63.024,13.45 63.474,13.45 63.924,13.45 64.374,13.45 65.724,13.45 66.174,13.45 66.624,13.45 67.074,13.45 67.524,13.45 67.974,13.45 68.424,13.45 68.874,13.45 69.324,13.45 69.774,13.45 70.224,13.45 70.674,13.45 71.124,13.45 71.574,13.45 72.024,13.45 72.474,13.45 74.274,13.45 56.049,13.9 56.499,13.9 56.949,13.9 57.399,13.9 57.849,13.9 58.299,13.9 58.749,13.9 59.199,13.9 59.649,13.9 60.099,13.9 60.549,13.9 60.999,13.9 61.449,13.9 61.899,13.9 62.349,13.9 62.799,13.9 63.249,13.9 63.699,13.9 64.149,13.9 64.599,13.9 65.949,13.9 66.399,13.9 66.849,13.9 67.299,13.9 67.749,13.9 68.199,13.9 68.649,13.9 69.099,13.9 69.549,13.9 69.999,13.9 70.449,13.9 70.899,13.9 71.349,13.9 71.799,13.9 72.249,13.9 72.699,13.9 56.274,14.35 56.724,14.35 57.174,14.35 57.624,14.35 58.074,14.35 58.524,14.35 58.974,14.35 59.424,14.35 59.874,14.35 60.324,14.35 60.774,14.35 61.224,14.35 61.674,14.35 62.124,14.35 62.574,14.35 63.024,14.35 63.474,14.35 63.924,14.35 64.374,14.35 65.724,14.35 66.174,14.35 66.624,14.35 67.074,14.35 67.524,14.35 67.974,14.35 68.424,14.35 68.874,14.35 69.324,14.35 69.774,14.35 70.224,14.35 70.674,14.35 71.124,14.35 71.574,14.35 72.024,14.35